# KiCad board STM_proto_board.kicad_pcb (continued)
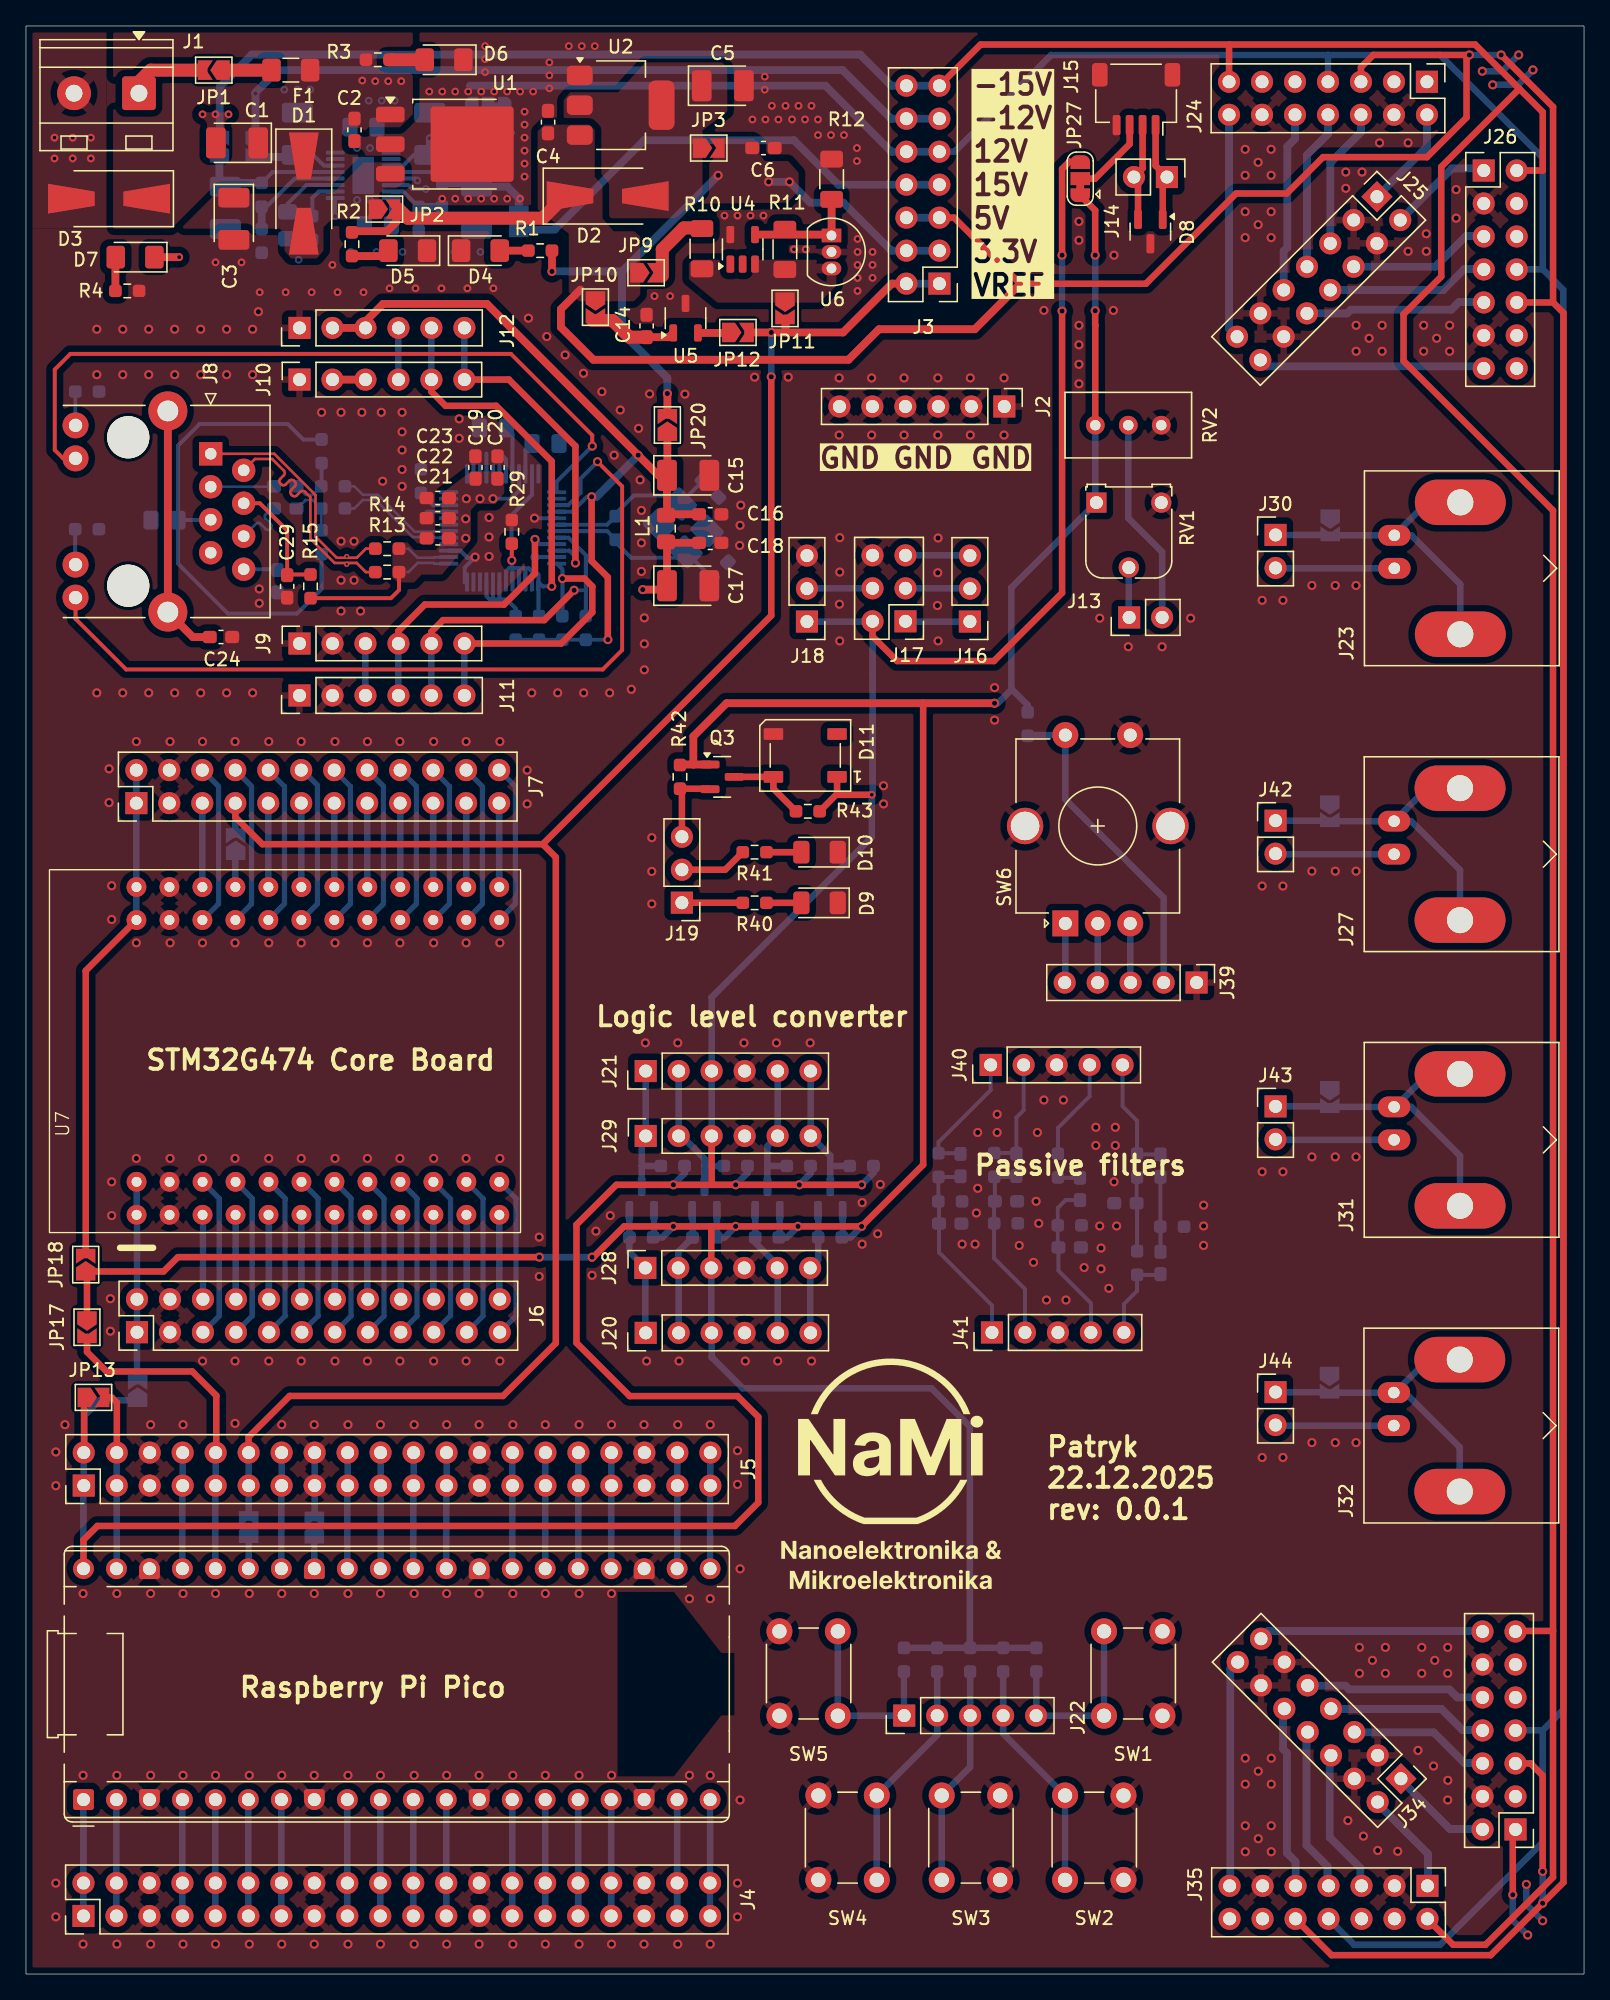
[diagram p0: board, top side]
## Library data of the parts (continued)
U2 = -: Datasheet: http://www.st.com/st-web-ui/static/active/en/resource/technical/document/datasheet/CD00000544.pdf; Description: 800mA Fixed Low Drop Positive Voltage Regulator, Fixed Output 3.3V, SOT-223; store: https://www.digikey.pl/pl/products/detail/stmicroelectronics/LD1117AS33TR/585752?s=N4IgTCBcDaIDIBECMKDsBBAygZmwFQCUQBdAXyA; ki_fp_filters: SOT?223*TabPin2*
U3 = -: Datasheet: https://www.analog.com/media/en/technical-documentation/data-sheets/ltc3260.pdf; Description: Low Noise Dual Supply Inverting Charge Pump with both positive and negative LDO regulators, V_{IN} range 4.5V to 32V, 50 mA LDO output current, MSOP-16; store: https://www.digikey.pl/pl/products/detail/analog-devices-inc/LTC3260EMSE-TRPBF/3248407; ki_fp_filters: MSOP*1EP*3x4.039mm*P0.5mm*EP1.651x2.845mm*
U4 = -: Datasheet: http://www.ti.com/lit/ds/symlink/tl431.pdf; Description: Shunt Regulator, SOT-23-5; store: https://www.digikey.pl/pl/products/detail/stmicroelectronics/TL431AIL5T/2672702?s=N4IgTCBcDaICoBkAsBmAjAQQJIIKxxAF0BfIA; ki_fp_filters: SOT?23?5*
U5 = -: Datasheet: http://www.ti.com/lit/ds/symlink/ref3033.pdf; Description: 3.3V 50-ppm/°C Max, 50-μA, CMOS Voltage Reference, SOT-23-3; store: https://www.digikey.pl/pl/products/detail/texas-instruments/REF3033AIDBZR/1573916; ki_fp_filters: SOT?23*
U6 = -: Datasheet: http://www.ti.com/lit/ds/symlink/tl431.pdf; Description: Shunt Regulator, TO-92; store: https://www.digikey.pl/pl/products/detail/evvo/TL431/22482088; ki_fp_filters: TO*92*
U7 = -: Datasheet: https://github.com/WeActStudio/WeActStudio.STM32G474CoreBoard
U8 = -: Datasheet: http://wizwiki.net/wiki/lib/exe/fetch.php/products:w5500:w5500_ds_v109e.pdf; Description: 10/100Mb SPI Ethernet controller with TCP/IP stack, LQFP-48; store: https://www.digikey.pl/pl/products/detail/wiznet/W5500/4425702; ki_fp_filters: LQFP*7x7mm*P0.5mm*
Y1 = -: Description: Four pin crystal, GND on pins 2 and 4; store: https://www.digikey.pl/pl/products/detail/abracon-llc/ABM8-25-000MHZ-B2Y-T/15996000?s=N4IgTCBcDaIIICECyAOAtGArAOgAz6QAkAtNBMATTQBUQBdAXyA; ki_fp_filters: Crystal*

## Footprints (pads in the part's own frame, mm; a bottom-side part is the same pattern mirrored in y, then rotated)
BNC_Amphenol_B6252HB-NPP3G-50_Horizontal
  oval 1.6x2.5 hole 0.89: 1(0,0) 2(-2.54,0)
  oval 3.5x7 hole 2.01: 2(-5.08,5.08) 2(5.08,5.08)
C_0603_1608Metric_Pad1.08x0.95mm_HandSolder
  rrect 1.075x0.95 smd: 1(-0.863,0) 2(0.863,0)
C_0805_2012Metric_Pad1.18x1.45mm_HandSolder
  rrect 1.175x1.45 smd: 1(-1.038,0) 2(1.038,0)
CP_EIA-3528-21_Kemet-B_HandSolder
  rrect 1.515x2.39 smd: 1(-1.627,0) 2(1.627,0)
Crystal_SMD_3225-4Pin_3.2x2.5mm_HandSoldering
  rrect 2.1x1.8 smd: 1(-1.45,-1.15) 2(1.45,-1.15) 3(1.45,1.15) 4(-1.45,1.15)
D_SMA-SMB_Universal_Handsoldering
  trapezoid 3.6x1.7 smd: 1(-2.9,0) 2(2.9,0)
Fuse_1206_3216Metric_Pad1.42x1.75mm_HandSolder
  rrect 1.425x1.75 smd: 1(-1.488,0) 2(1.488,0)
JST_SH_SM04B-SRSS-TB_1x04-1MP_P1.00mm_Horizontal
  rrect 0.6x1.55 smd: 1(-1.5,2) 2(-0.5,2) 3(0.5,2) 4(1.5,2)
  rrect 1.2x1.8 smd: MP(-2.8,-1.875) MP(2.8,-1.875)
L_0805_2012Metric_Pad1.15x1.40mm_HandSolder
  rrect 1.15x1.4 smd: 1(-1.025,0) 2(1.025,0)
LED_1206_3216Metric
  rrect 1.25x1.75 smd: 1(-1.4,0) 2(1.4,0)
LED_1206_3216Metric_Pad1.42x1.75mm_HandSolder
  rrect 1.425x1.75 smd: 1(-1.488,0) 2(1.488,0)
LED_WS2812B_PLCC4_5.0x5.0mm_P3.2mm
  rrect 1.5x0.9 smd: 1(-2.45,1.65) 2(-2.45,-1.65) 3(2.45,-1.65) 4(2.45,1.65)
LQFP-48_7x7mm_P0.5mm
  rrect 1.475x0.3 smd: 1(-4.162,2.75) 2(-4.162,2.25) 3(-4.162,1.75) 4(-4.162,1.25) 5(-4.162,0.75) 6(-4.162,0.25) 7(-4.162,-0.25) 8(-4.162,-0.75) 9(-4.162,-1.25) 10(-4.162,-1.75) 11(-4.162,-2.25) 12(-4.162,-2.75) 25(4.162,-2.75) 26(4.162,-2.25) 27(4.162,-1.75) 28(4.162,-1.25) 29(4.162,-0.75) 30(4.162,-0.25) 31(4.162,0.25) 32(4.162,0.75) 33(4.162,1.25) 34(4.162,1.75) 35(4.162,2.25) 36(4.162,2.75)
  rrect 0.3x1.475 smd: 13(-2.75,-4.162) 14(-2.25,-4.162) 15(-1.75,-4.162) 16(-1.25,-4.162) 17(-0.75,-4.162) 18(-0.25,-4.162) 19(0.25,-4.162) 20(0.75,-4.162) 21(1.25,-4.162) 22(1.75,-4.162) 23(2.25,-4.162) 24(2.75,-4.162) 37(2.75,4.162) 38(2.25,4.162) 39(1.75,4.162) 40(1.25,4.162) 41(0.75,4.162) 42(0.25,4.162) 43(-0.25,4.162) 44(-0.75,4.162) 45(-1.25,4.162) 46(-1.75,4.162) 47(-2.25,4.162) 48(-2.75,4.162)
MSOP-16-1EP_3x4.039mm_P0.5mm_EP1.651x2.845mm
  rrect 0.69x1.19 smd: (-0.415,-0.71) (-0.415,0.71) (0.415,-0.71) (0.415,0.71)
  rrect 1.45x0.3 smd: 1(-2.15,1.75) 2(-2.15,1.25) 3(-2.15,0.75) 4(-2.15,0.25) 5(-2.15,-0.25) 6(-2.15,-0.75) 7(-2.15,-1.25) 8(-2.15,-1.75) 9(2.15,-1.75) 10(2.15,-1.25) 11(2.15,-0.75) 12(2.15,-0.25) 13(2.15,0.25) 14(2.15,0.75) 15(2.15,1.25) 16(2.15,1.75)
  rect 1.651x2.845 smd: 17(0,0)
PinHeader_1x02_P2.54mm_Vertical
  rect 1.7x1.7 hole 1: 1(0,0)
  round 1.7 hole 1: 2(0,-2.54)
PinHeader_1x03_P2.54mm_Vertical
  rect 1.7x1.7 hole 1: 1(0,0)
  round 1.7 hole 1: 2(0,-2.54) 3(0,-5.08)
PinHeader_1x05_P2.54mm_Vertical
  rect 1.7x1.7 hole 1: 1(0,0)
  round 1.7 hole 1: 2(0,-2.54) 3(0,-5.08) 4(0,-7.62) 5(0,-10.16)
PinHeader_1x06_P2.54mm_Vertical
  rect 1.7x1.7 hole 1: 1(0,0)
  round 1.7 hole 1: 2(0,-2.54) 3(0,-5.08) 4(0,-7.62) 5(0,-10.16) 6(0,-12.7)
PinHeader_2x03_P2.54mm_Vertical
  rect 1.7x1.7 hole 1: 1(0,0)
  round 1.7 hole 1: 2(2.54,0) 3(0,-2.54) 4(2.54,-2.54) 5(0,-5.08) 6(2.54,-5.08)
PinHeader_2x07_P2.54mm_Vertical
  rect 1.7x1.7 hole 1: 1(0,0)
  round 1.7 hole 1: 2(2.54,0) 3(0,-2.54) 4(2.54,-2.54) 5(0,-5.08) 6(2.54,-5.08) 7(0,-7.62) 8(2.54,-7.62) 9(0,-10.16) 10(2.54,-10.16) 11(0,-12.7) 12(2.54,-12.7) 13(0,-15.24) 14(2.54,-15.24)
PinHeader_2x12_P2.54mm_Vertical
  rect 1.7x1.7 hole 1: 1(0,0)
  round 1.7 hole 1: 2(2.54,0) 3(0,-2.54) 4(2.54,-2.54) 5(0,-5.08) 6(2.54,-5.08) 7(0,-7.62) 8(2.54,-7.62) 9(0,-10.16) 10(2.54,-10.16) 11(0,-12.7) 12(2.54,-12.7) 13(0,-15.24) 14(2.54,-15.24) 15(0,-17.78) 16(2.54,-17.78) 17(0,-20.32) 18(2.54,-20.32) 19(0,-22.86) 20(2.54,-22.86) 21(0,-25.4) 22(2.54,-25.4) 23(0,-27.94) 24(2.54,-27.94)
PinHeader_2x20_P2.54mm_Vertical
  rect 1.7x1.7 hole 1: 1(0,0)
  round 1.7 hole 1: 2(2.54,0) 3(0,-2.54) 4(2.54,-2.54) 5(0,-5.08) 6(2.54,-5.08) 7(0,-7.62) 8(2.54,-7.62) 9(0,-10.16) 10(2.54,-10.16) 11(0,-12.7) 12(2.54,-12.7) 13(0,-15.24) 14(2.54,-15.24) 15(0,-17.78) 16(2.54,-17.78) 17(0,-20.32) 18(2.54,-20.32) 19(0,-22.86) 20(2.54,-22.86) 21(0,-25.4) 22(2.54,-25.4) 23(0,-27.94) 24(2.54,-27.94) 25(0,-30.48) 26(2.54,-30.48) 27(0,-33.02) 28(2.54,-33.02) 29(0,-35.56) 30(2.54,-35.56) 31(0,-38.1) 32(2.54,-38.1) 33(0,-40.64) 34(2.54,-40.64) 35(0,-43.18) 36(2.54,-43.18) 37(0,-45.72) 38(2.54,-45.72) 39(0,-48.26) 40(2.54,-48.26)
PinSocket_1x06_P2.54mm_Vertical
  rect 1.7x1.7 hole 1: 1(0,0)
  round 1.7 hole 1: 2(0,-2.54) 3(0,-5.08) 4(0,-7.62) 5(0,-10.16) 6(0,-12.7)
Potentiometer_Bourns_3296W_Vertical
  round 1.44 hole 0.8: 1(0,0) 2(-2.54,0) 3(-5.08,0)
Potentiometer_Runtron_RM-065_Vertical
  rect 1.56x1.56 hole 1: 1(0,0)
  round 1.56 hole 1: 2(2.5,-5) 3(5,0)
R_0603_1608Metric_Pad0.98x0.95mm_HandSolder
  rrect 0.975x0.95 smd: 1(-0.912,0) 2(0.912,0)
R_1206_3216Metric_Pad1.30x1.75mm_HandSolder
  rrect 1.3x1.75 smd: 1(-1.55,0) 2(1.55,0)
RaspberryPi_Pico_Common_THT
  rrect 1.6x1.6 hole 1: 1(0,0)
  round 1.6 hole 1: 2(0,-2.54) 4(0,-7.62) 5(0,-10.16) 6(0,-12.7) 7(0,-15.24) 9(0,-20.32) 10(0,-22.86) 11(0,-25.4) 12(0,-27.94) 14(0,-33.02) 15(0,-35.56) 16(0,-38.1) 17(0,-40.64) 19(0,-45.72) 20(0,-48.26) 21(17.78,-48.26) 22(17.78,-45.72) 24(17.78,-40.64) 25(17.78,-38.1) 26(17.78,-35.56) 27(17.78,-33.02) 29(17.78,-27.94) 30(17.78,-25.4) 31(17.78,-22.86) 32(17.78,-20.32) 34(17.78,-15.24) 35(17.78,-12.7) 36(17.78,-10.16) 37(17.78,-7.62) 39(17.78,-2.54) 40(17.78,0)
  custom 1.6x1.6 hole 1: 3(0,-5.08) 8(0,-17.78) 13(0,-30.48) 18(0,-43.18) 23(17.78,-43.18) 28(17.78,-30.48) 33(17.78,-17.78) 38(17.78,-5.08)
RJ45_HALO_HFJ11-x2450E-LxxRL_Horizontal
  round 3.25 hole 3.25 unplated: (-1.27,-6.35) (10.16,-6.35)
  rect 1.8x1.8 hole 0.89: 1(0,0)
  round 1.8 hole 0.89: 2(1.27,2.54) 3(2.54,0) 4(3.81,2.54) 5(5.08,0) 6(6.35,2.54) 7(7.62,0) 8(8.89,2.54)
  round 2 hole 1.02: 9(-2.185,-10.41) 10(0.355,-10.41) 11(8.535,-10.41) 12(11.075,-10.41)
  round 3 hole 1.6: SH(-3.3,-3.3) SH(12.19,-3.3)
RotaryEncoder_Alps_EC12E-Switch_Vertical_H20mm_CircularMountingHoles
  rect 2x2 hole 1: A(0,0)
  round 2 hole 1: B(0,-5) C(0,-2.5) S1(14.5,0) S2(14.5,-5)
  round 2.8 hole 2.2: MP(7.5,3.1) MP(7.5,-8.1)
SolderJumper-2_P1.3mm_Open_TrianglePad1.0x1.5mm
  custom 1.5x1.5 smd: 1(-0.725,0)
  custom 1.15x1.5 smd: 2(0.725,0)
SolderJumper-3_P1.3mm_Bridged12_RoundedPad1.0x1.5mm
  custom 1.05x1.5 smd: 1(-1.3,0) 3(1.3,0)
  rect 1x1.5 smd: 2(0,0)
SOT-23
  rrect 1.475x0.6 smd: 1(-0.938,0.95) 2(-0.938,-0.95) 3(0.938,0)
SOT-23-3
  rrect 1.325x0.6 smd: 1(-1.137,0.95) 2(-1.137,-0.95) 3(1.137,0)
SOT-23-5
  rrect 1.325x0.6 smd: 1(-1.137,0.95) 2(-1.137,0) 3(-1.137,-0.95) 4(1.137,-0.95) 5(1.137,0.95)
SOT-223-3_TabPin2
  rrect 2x1.5 smd: 1(-3.15,2.3) 2(-3.15,0) 3(-3.15,-2.3)
  rrect 2x3.8 smd: 2(3.15,0)
STM32G474CoreBoard
  round 1.524 hole 0.762: 1(-12.7,12.7) 2(-10.16,12.7) 3(-12.7,10.16) 4(-10.16,10.16) 5(-12.7,7.62) 6(-10.16,7.62) 7(-12.7,5.08) 8(-10.16,5.08) 9(-12.7,2.54) 10(-10.16,2.54) 11(-12.7,0) 12(-10.16,0) 13(-12.7,-2.54) 14(-10.16,-2.54) 15(-12.7,-5.08) 16(-10.16,-5.08) 17(-12.7,-7.62) 18(-10.16,-7.62) 19(-12.7,-10.16) 20(-10.16,-10.16) 21(-12.7,-12.7) 22(-10.16,-12.7) 23(-12.7,-15.24) 24(-10.16,-15.24) 25(10,12.71) 26(12.54,12.71) 27(10,10.17) 28(12.54,10.17) 29(10,7.63) 30(12.54,7.63) 31(10,5.09) 32(12.54,5.09) 33(10,2.55) 34(12.54,2.55) 35(10,0.01) 36(12.54,0.01) 37(10,-2.53) 38(12.54,-2.53) 39(10,-5.07) 40(12.54,-5.07) 41(10,-7.61) 42(12.54,-7.61) 43(10,-10.15) 44(12.54,-10.15) 45(10,-12.69) 46(12.54,-12.69) 47(10,-15.23) 48(12.54,-15.23)
SW_PUSH_6mm_H5mm
  round 2 hole 1.1: 1(0,0) 1(6.5,0) 2(0,-4.5) 2(6.5,-4.5)
TerminalBlock_MetzConnect_Type094_RT03502HBLU_1x02_P5.00mm_Horizontal
  rrect 2.6x2.6 hole 1.3: 1(0,0)
  round 2.6 hole 1.3: 2(5,0)
TO-92_Inline
  rect 1.05x1.5 hole 0.75: 1(0,0)
  oval 1.05x1.5 hole 0.75: 2(1.27,0) 3(2.54,0)
TO-252-3_TabPin2
  rrect 3.05x2.75 smd: (-0.415,1.525) (-0.415,-1.525) (2.935,1.525) (2.935,-1.525)
  rrect 2.2x1.2 smd: 1(-5.04,2.28) 2(-5.04,0) 3(-5.04,-2.28)
  rrect 6.4x5.8 smd: 2(1.26,0)

## Nets
+3.3VP: J20.3 J28.3 JP17.1 JP18.1 JP27.1 Q1.1 Q2.1 Q3.1 Q4.1 Q5.1 R31.2 R33.2 R35.2 R36.2 R37.2 R38.2 R39.2 R42.2 R44.2 R46.2 R48.1 RV1.1 RV2.1
+3V3: C6.1 J3.3 J3.4 J24.3 J26.12 J33.3 J35.12 JP3.2 JP20.2 R1.2
+5V: C4.1 D2.1 J3.5 J3.6 J24.5 J26.10 J33.5 J35.10 JP2.2 JP9.1 JP10.1 R2.2 U2.3
+12V: C1.1 C2.1 D1.1 D3.1 F1.2 J3.9 J3.10 J24.7 J26.8 J33.7 J35.8 JP4.2 JP6.3 R3.2 U1.1
+15V: J3.7 J3.8 J24.11 J26.4 J33.11 J35.4 JP5.1
-12V: D7.1 J3.11 J3.12 J24.9 J26.6 J33.9 J35.6 JP7.1
-15V: J3.13 J3.14 J24.13 J26.2 J33.13 J35.2 JP8.2
/Ethernet/3V3A: C17.1 C18.1 C19.1 C20.1 C21.1 C22.1 C23.1 L1.2 R13.1 R14.1 R15.1 U8.4 U8.8 U8.11 U8.15 U8.17 U8.21
/Ethernet/3V3D: C15.1 C16.1 J10.2 J10.3 J12.2 J12.3 JP20.1 L1.1 R16.2 R17.2 R18.2 R27.1 U8.28
/uC/3V3_EN: A1.37 J5.7 J5.8
/uC/3V3_PIPICO: A1.36 J5.9 J5.10 JP17.2
/uC/3V3_STM: J7.1 J7.2 JP18.2 U7.25 U7.26
GND: A1.3 A1.8 A1.13 A1.18 A1.23 A1.28 A1.38 C1.2 C2.2 C3.2 C4.2 C5.2 C6.2 C7.2 C8.2 C9.2 C10.1 C11.1 C12.1 C14.2 C15.2 C16.2 C17.2 C18.2 C19.2 C20.2 C21.2 C22.2 C23.2 C24.1 C27.2 C28.2 C29.2 C30.2 C31.2 C32.2 C33.2 C35.1 C37.1 C39.1 C42.1 D3.2 D4.1 D5.1 D6.1 D8.3 D9.1 D10.1 D11.3 J1.2 J2.1 J2.2 J2.3 J2.4 J2.5 J2.6 J4.5 J4.6 J4.15 J4.16 J4.25 J4.26 J4.35 J4.36 J5.5 J5.6 J5.15 J5.16 J5.25 J5.26 J5.35 J5.36 J6.3 J6.4 J7.3 J7.4 J9.1 J9.2 J10.1 J11.1 J11.2 J12.1 J15.4 J15.MP J17.6 J18.3 J20.4 J21.4 J24.4 J24.12 J25.3 J25.4 J25.11 J25.12 J26.3 J26.11 J28.4 J29.4 J33.4 J33.12 J34.3 J34.4 J34.11 J34.12 J35.3 J35.11 J39.1 J40.3 J41.3 JP6.1 JP16.2 JP22.1 JP23.1 JP24.1 JP25.1 R4.2 R6.2 R7.2 R8.1 R12.2 R21.2 R26.2 R29.2 R30.2 R50.1 R52.1 R54.2 R57.1 RV1.3 RV2.3 SW1.1 SW2.1 SW3.1 SW4.2 SW5.2 SW6.MP SW6.S2 U1.2 U2.1 U3.17 U4.5 U5.3 U6.2 U7.3 U7.4 U7.27 U7.28 U8.3 U8.9 U8.14 U8.16 U8.19 U8.29 U8.48 Y1.2 Y1.4
VBUS: A1.40 D11.1 J5.1 J5.2 J17.2 J18.1 J21.3 J29.3 JP13.1 JP14.1 JP27.3 R32.2 R34.2 R43.2 R45.2 R47.2
VCC_STM: J6.1 J6.2 JP14.2 U7.1 U7.2
/Ethernet/ACTLED: J8.12 U8.27
/Ethernet/INT: J9.6 J11.6 R17.1 U8.36
/Ethernet/LINKLED: J8.10 U8.25
/Ethernet/MISO: J10.6 J12.6 U8.34
/Ethernet/MOSI: J9.3 J11.3 U8.35
/Ethernet/NC: J10.4 J12.4
/Ethernet/RST: J10.5 J12.5 R16.1 U8.37
/Ethernet/RX_C_N: C25.2 J8.6
/Ethernet/RX_C_P: C26.2 J8.3
/Ethernet/RX_N: R22.1 U8.5
/Ethernet/RX_P: R23.1 U8.6
/Ethernet/RX_R_N: C25.1 R22.2 R24.1
/Ethernet/RX_R_P: C26.1 R23.2 R25.1
/Ethernet/SCLK: J9.4 J11.4 U8.33
/Ethernet/SCS: J9.5 J11.5 R18.1 U8.32
/Ethernet/TX_N: R19.1 U8.1
/Ethernet/TX_P: R20.1 U8.2
/Ethernet/TX_R_N: J8.2 R14.2 R19.2
/Ethernet/TX_R_P: J8.1 R13.2 R20.2
/The rest of the things/H1: J21.1 J29.1 Q1.3 R32.1
/The rest of the things/H2: J21.2 J29.2 Q2.3 R34.1
/The rest of the things/H3: J21.5 J29.5 Q4.3 R45.1
/The rest of the things/H4: J21.6 J29.6 Q5.3 R47.1
/The rest of the things/L1: J20.1 J28.1 Q1.2 R31.1
/The rest of the things/L2: J20.2 J28.2 Q2.2 R33.1
/The rest of the things/L3: J20.5 J28.5 Q4.2 R44.1
/The rest of the things/L4: J20.6 J28.6 Q5.2 R46.1
/The rest of the things/MISO: J16.1 J17.1
/The rest of the things/MOSI: J17.4 J18.2
/The rest of the things/ROT_ENC_SW: J39.2 R48.2 SW6.S1
/The rest of the things/RST: J16.3 J17.5
/The rest of the things/SCK: J16.2 J17.3
/uC/ADC_VREF: A1.35 JP15.1
/uC/GPIO0: A1.1 J4.1 J4.2
/uC/GPIO1: A1.2 J4.3 J4.4
/uC/GPIO2: A1.4 J4.7 J4.8
/uC/GPIO3: A1.5 J4.9 J4.10
/uC/GPIO4: A1.6 J4.11 J4.12
/uC/GPIO5: A1.7 J4.13 J4.14
/uC/GPIO6: A1.9 J4.17 J4.18
/uC/GPIO7: A1.10 J4.19 J4.20
/uC/GPIO8: A1.11 J4.21 J4.22
/uC/GPIO9: A1.12 J4.23 J4.24
/uC/GPIO10: A1.14 J4.27 J4.28
/uC/GPIO11: A1.15 J4.29 J4.30
/uC/GPIO12: A1.16 J4.31 J4.32
/uC/GPIO13: A1.17 J4.33 J4.34
/uC/GPIO14: A1.19 J4.37 J4.38
/uC/GPIO15: A1.20 J4.39 J4.40
/uC/GPIO16: A1.21 J5.39 J5.40
/uC/GPIO17: A1.22 J5.37 J5.38
/uC/GPIO18: A1.24 J5.33 J5.34
/uC/GPIO19: A1.25 J5.31 J5.32
/uC/GPIO20: A1.26 J5.29 J5.30
/uC/GPIO21: A1.27 J5.27 J5.28
/uC/GPIO22: A1.29 J5.23 J5.24
/uC/GPIO26_ADC0: A1.31 J5.19 J5.20
/uC/GPIO27_ADC1: A1.32 J5.17 J5.18
/uC/GPIO28_ADC2: A1.34 J5.13 J5.14
/uC/NRST: J7.20 U7.43
/uC/PA0: J7.19 U7.44
/uC/PA1: J7.18 U7.41
/uC/PA2: J7.17 U7.42
/uC/PA3: J7.16 U7.39
/uC/PA4: J7.15 U7.40
/uC/PA5: J7.14 U7.37
/uC/PA6: J7.13 U7.38
/uC/PA7: J7.12 U7.35
/uC/PA8: J6.9 U7.10
/uC/PA9: J6.12 U7.11
/uC/PA10: J6.11 U7.12
/uC/PA11: J6.14 U7.13
/uC/PA12: J6.13 U7.14
/uC/PA15: J6.16 U7.15
/uC/PB0: J7.10 U7.33
/uC/PB1: J7.9 U7.34
/uC/PB2: J7.8 U7.31
/uC/PB3: J6.17 U7.18
/uC/PB4: J6.20 U7.19
/uC/PB5: J6.19 U7.20
/uC/PB6: J6.22 U7.21
/uC/PB7: J6.21 U7.22
/uC/PB8_GOOT0: J6.24 U7.23
/uC/PB9: J6.23 U7.24
/uC/PB10: J7.6 U7.29
/uC/PB11: J7.5 U7.30
/uC/PB12: J6.6 U7.5
/uC/PB13: J6.5 U7.6
/uC/PB14: J6.8 U7.7
/uC/PB15: J6.7 U7.8
/uC/PC4: J7.11 U7.36
/uC/PC6: J6.10 U7.9
/uC/PC10: J6.15 U7.16
/uC/PC11: J6.18 U7.17
/uC/PC13: J7.23 U7.48
/uC/PC14: J7.22 U7.45
/uC/PC15: J7.21 U7.46
/uC/RUN: A1.30 J5.21 J5.22
/uC/VB: J7.24 U7.47
SCL: D8.1 J14.1 J15.1
SDA: D8.2 J14.2 J15.2
VREF+: J3.1 J3.2 J5.11 J5.12 J7.7 J24.1 J26.14 J33.1 J35.14 JP11.2 JP12.2 JP15.2 JP19.2
VSYS_PIPICO: A1.39 J5.3 J5.4 JP13.2
Net-(A1-AGND): A1.33 JP16.1
Net-(C24-Pad2): C24.2 J8.SH
Net-(C28-Pad1): C28.1 J8.5 R24.2 R25.2
Net-(C29-Pad1): C29.1 J8.4 R15.2
Net-(C30-Pad1): C30.1 J8.8
Net-(C38-Pad1): C38.1 R53.1
Net-(C40-Pad2): C40.2 C41.1 R57.2
Net-(C42-Pad2): C42.2 R55.1 R56.2
Net-(D1-A): C3.1 D1.2 JP2.1 U1.3
Net-(D2-A): C5.1 D2.2 JP3.1 U2.2
Net-(D4-A): D4.2 R1.1
Net-(D5-A): D5.2 R2.1
Net-(D6-A): D6.2 R3.1
Net-(D7-A): D7.2 R4.1
Net-(D9-A): D9.2 R40.1
Net-(D10-A): D10.2 R41.1
Net-(D11-DIN): D11.4 Q3.3 R43.1
Net-(J1-Pin_1): J1.1 JP1.2
Net-(J8-Pad9): J8.9 R26.1
Net-(J8-Pad11): J8.11 R21.1
Net-(J13-Pin_1): J13.1 RV1.2
Net-(J13-Pin_2): J13.2 RV2.2
Net-(J15-Pin_3): J15.3 JP27.2
Net-(J19-Pin_1): J19.1 R40.2
Net-(J19-Pin_2): J19.2 R41.2
Net-(J19-Pin_3): J19.3 Q3.2 R42.1
Net-(J22-Pin_1): J22.1 R39.1 SW5.1
Net-(J22-Pin_2): J22.2 R38.1 SW4.1
Net-(J22-Pin_3): J22.3 R37.1 SW3.2
Net-(J22-Pin_4): J22.4 R36.1 SW2.2
Net-(J22-Pin_5): J22.5 R35.1 SW1.2
Net-(J23-Ext): J23.2 J30.1 JP22.2
Net-(J23-In): J23.1 J30.2
Net-(J24-Pin_2): J24.2 J25.1
Net-(J24-Pin_6): J24.6 J25.5
Net-(J24-Pin_8): J24.8 J25.7
Net-(J24-Pin_10): J24.10 J25.9
Net-(J24-Pin_14): J24.14 J25.13
Net-(J25-Pin_2): J25.2 J26.1
Net-(J25-Pin_6): J25.6 J26.5
Net-(J25-Pin_8): J25.8 J26.7
Net-(J25-Pin_10): J25.10 J26.9
Net-(J25-Pin_14): J25.14 J26.13
Net-(J27-Ext): J27.2 J42.1 JP23.2
Net-(J27-In): J27.1 J42.2
Net-(J31-Ext): J31.2 J43.1 JP24.2
Net-(J31-In): J31.1 J43.2
Net-(J32-Ext): J32.2 J44.1 JP25.2
Net-(J32-In): J32.1 J44.2
Net-(J33-Pin_2): J33.2 J34.1
Net-(J33-Pin_6): J33.6 J34.5
Net-(J33-Pin_8): J33.8 J34.7
Net-(J33-Pin_10): J33.10 J34.9
Net-(J33-Pin_14): J33.14 J34.13
Net-(J34-Pin_2): J34.2 J35.1
Net-(J34-Pin_6): J34.6 J35.5
Net-(J34-Pin_8): J34.8 J35.7
Net-(J34-Pin_10): J34.10 J35.9
Net-(J34-Pin_14): J34.14 J35.13
Net-(J39-Pin_3): J39.3 SW6.B
Net-(J39-Pin_4): J39.4 SW6.C
Net-(J39-Pin_5): J39.5 SW6.A
Net-(J40-Pin_1): C34.1 J40.1 R49.1
Net-(J40-Pin_2): C36.1 J40.2 R51.1
Net-(J40-Pin_4): J40.4 R53.2
Net-(J40-Pin_5): C40.1 J40.5 R55.2
Net-(J41-Pin_1): C34.2 C35.2 J41.1 R49.2 R50.2
Net-(J41-Pin_2): C36.2 C37.2 J41.2 R51.2 R52.2
Net-(J41-Pin_4): C38.2 C39.2 J41.4 R54.1
Net-(J41-Pin_5): C41.2 J41.5 R56.1
Net-(JP1-A): F1.1 JP1.1
Net-(JP4-A): C7.1 JP4.1 U3.1 U3.11 U3.13
Net-(JP5-B): C8.1 JP5.2 R5.1 U3.12
Net-(JP6-C): JP6.2 U3.14
Net-(JP7-B): C10.2 JP7.2 U3.6
Net-(JP8-A): C12.2 JP8.1 R9.2 U3.5
Net-(JP9-B): JP9.2 R10.1
Net-(JP10-B): C14.1 JP10.2 U5.1
Net-(JP11-A): JP11.1 R10.2 R11.1 U4.3 U6.3
Net-(JP12-A): JP12.1 U5.2
Net-(JP19-A): JP19.1 U7.32
Net-(R29-Pad1): R29.1 U8.23 U8.38 U8.39 U8.40 U8.41 U8.42
Net-(U3-ADJ^{+}): R5.2 R6.1 U3.15
Net-(U3-ADJ^{-}): R8.2 R9.1 U3.4
Net-(U3-BYP^{+}): C9.1 U3.16
Net-(U3-BYP^{-}): C11.2 U3.3
Net-(U3-C^{+}): C13.1 U3.9 U3.10
Net-(U3-C^{-}): C13.2 U3.7 U3.8
Net-(U3-RT): R7.1 U3.2
Net-(U4-REF): R11.2 R12.1 U4.4 U6.1
Net-(U8-1V2O): C32.1 U8.22
Net-(U8-EXRES1): R30.1 U8.10
Net-(U8-PMODE0): R27.2 U8.43 U8.44 U8.45
Net-(U8-TOCAP): C33.1 U8.20
Net-(U8-XI/CLKIN): C27.1 R28.1 U8.30 Y1.1
Net-(U8-XO): C31.1 R28.2 U8.31 Y1.3

Pads without a net: D11 2; J8 7; U4 1 2; U8 7 12 13 18 24 26 46 47

## Via types
v1: diameter 0.7, hole 0.4, Top to Bottom, 435 vias
v2: diameter 0.6, hole 0.3, Top to Bottom, 61 vias
v3: diameter 0.6, hole 0.3, Top to In2.Cu, 31 vias
v4: diameter 0.6, hole 0.3, In1.Cu to Bottom, 17 vias
v5: diameter 0.6, hole 0.3, In2.Cu to Bottom, 6 vias
v6: diameter 0.7, hole 0.4, In2.Cu to Bottom, 1 via
v7: diameter 0.4, hole 0.2, Top to Bottom, 2 vias

## Routing (per net, layer and track width the routed paths; a pad name or vN(x,y) marks a point on that pad's centre or on a via; arc(x,y) is an arc through that point)
+3.3VP: length 256.4
  Top w0.5: v1(82.35,128.07) 82.35,126.95 82.36,126.94 RV2.1 ; v1(43.6,55.2) 43.6,55.1 46.07,57.57 v1(49.86,57.57) 52.76,57.57 ; J28.3 52.78,57.55 52.76,57.57 ; 52.76,57.57 v1(54.66,57.57) v1(59.46,57.57) v1(64.36,57.57) 69.1,62.31 69.1,97.85 ; JP27.1 81.21,136.94 82.35,135.8 v1(82.35,132.35) ; v1(39.54,55.2) 11.7,55.2 10.6,54.1 4.8,54.1 JP18.1 4.7,53.8 JP17.1
  Top w0.6: 51.4,93.13 50.41,93.13 R42.2 ; 51.4,93.13 Q3.1 ; 51.4,93.13 51.4,95.3 53.95,97.85 v1(74.6,97.85)
  Bottom w0.5: 75.9,98.95 75.9,106.76 RV1.1 82.36,113.38 RV2.1 ; 75.9,98.95 75.9,98.9 74.85,97.85 v1(74.6,97.85) ; 75.9,98.95 77.15,97.7 R48.1 ; Q1.1 48.37,56.79 R31.2 49.01,56.72 v1(49.86,57.57) ; v1(82.35,132.35) v1(82.35,128.07) ; R35.2 R36.2 R37.2 ; Q4.1 58.06,56.79 R44.2 58.61,56.72 v1(59.46,57.57) ; R37.2 R38.2 R39.2 ; R37.2 72.7,25.13 72.7,42.15 69.75,45.1 55.2,45.1 52.81,47.49 J20.3 52.78,49.4 J28.3 ; v1(54.66,57.57) 53.8,56.71 R33.2 53.21,56.75 Q2.1 ; v1(64.36,57.57) 63.51,56.72 R46.2 62.9,56.78 Q5.1 ; v1(43.6,55.2) v1(39.54,55.2)
+3V3: length 292.6
  Top w0.5: v1(53.31,138.5) 53.32,138.51 ; 40.51,131.1 v1(40.51,131.1)
  Top w0.6: v1(49.4,121.7) 49.4,120.06 ; R1.2 40.51,131.1
  In1.Cu w0.5: v1(114.97,147.77) 114.97,146.42 117.62,143.77 117.62,126.17 ; v1(112.17,146.52) 110.97,146.52 ; 110.97,146.52 109.72,147.77 106.32,147.77 105.36,146.81 J24.3 ; 110.97,146.52 110.95,146.5 110.95,142.95 107.9,139.9 99.9,139.9 97.1,137.1 93.2,137.1 86.25,130.15 74.05,130.15 71.5,132.7 J3.3 ; 114.75,13.71 114.76,13.72 115.88,13.72 116.81,12.79 116.81,9.35 115.56,8.1 v1(115.56,6.9) ; J26.12 114.82,126.17 117.62,126.17 ; 117.62,126.17 118.42,125.37 118.42,5.71 v1(116.81,4.1) 115.46,4.1 112.81,1.45 98.02,1.45 95.22,4.25
  Bottom w0.5: v1(114.97,147.77) 113.72,146.52 v1(112.17,146.52) ; v1(115.56,6.9) 115.56,5.35 v1(116.81,4.1)
  Bottom w0.6: v1(40.51,131.1) 45.91,131.1 ; 45.91,131.1 v1(53.31,138.5) ; 45.91,131.1 45.91,126.39 49.4,122.9 v1(49.4,121.7) ; v1(57.2,138) v1(58.8,138) 60.4,136.4 62.95,136.4 66.65,132.7 J3.4 J3.3
+5V: length 311
  Top w0.5: 117.62,128.71 118.42,127.91 118.42,7.06 v1(116.81,5.45) 112.81,1.45 100.56,1.45 97.76,4.25 ; 117.62,128.71 117.62,143.77 v1(113.62,147.77) ; 117.62,128.71 J26.10 ; 114.75,16.25 114.78,16.22 115.88,16.22 116.81,15.29 v1(116.81,7.9) ; J24.5 102.82,146.82 103.77,147.77 v1(111.17,147.77) 110.95,147.55 110.95,142.95 107.9,139.9 99.9,139.9 97.1,137.1 93.2,137.1 86.25,130.15 76.58,130.15 71.48,135.24 J3.5
  Top w0.6: 28.51,135.9 28.51,134.9 27.81,134.2 25.2,134.2 R2.2 ; 76.58,130.15 73.08,126.65 65.7,126.65 63.35,124.3 43.7,124.3 41.2,126.8 41.2,128.2 42.7,129.7
  Top w1: 28.71,135.9 29.41,135.2 39.8,135.2 41.5,136.9 D2.1
  Bottom w0.5: v1(116.81,5.45) v1(116.81,7.9) ; v1(113.62,147.77) v1(111.17,147.77)
  Bottom w0.6: J3.6 J3.5
+12V: length 253.5
  Bottom w0.3: JP6.3 JP4.2
  Bottom w0.5: 116.82,131.27 116.82,139.87 108.92,147.77 100.28,147.77 ; 116.82,131.27 118.4,129.68 118.4,20.36 116.81,18.77 ; 116.82,131.27 114.83,131.27 J26.8 ; 100.28,147.77 78.97,147.77 71.52,140.32 J3.9 ; 100.28,147.77 J24.7 ; 114.75,18.79 114.77,18.77 116.81,18.77 ; 116.81,18.77 116.81,10.15 108.91,2.25 102.3,2.25 100.3,4.25
  Bottom w0.6: J3.9 J3.10 66.66,140.32 61.58,145.4 34.2,145.4 ; JP6.3 34.3,141.51
  vias: v2(25.9,145.8) v2(26.9,145.75) v2(27.9,145.75) v2(28.9,145.75)
+15V: length 265.9
  In1.Cu w0.5: 95.2,148.57 82.24,148.57 71.45,137.78 J3.7 ; 95.2,148.57 J24.11 ; 95.2,148.57 111.62,148.57 115.02,145.17 ; 115.02,145.17 116.82,143.37 116.82,136.33 J26.4 ; 115.02,145.17 115.02,145.17 109,139.15 109,130.7 106.1,127.8 106.1,124.2 117.61,112.69 117.61,23.87 ; 117.61,23.87 117.61,7.45 112.41,2.25 107.38,2.25 105.38,4.25 ; 117.61,23.87 114.75,23.87
  Bottom w0.6: 37.97,134.32 40.72,134.32 47.6,141.2 59.15,141.2 62.58,137.77 67.8,137.77 J3.8 J3.7
-12V: length 307.5
  Top w0.6: D7.1 v3(11.8,132.2)
  In2.Cu w0.5: 115.02,145.17 116.82,143.37 116.82,133.79 J26.6 ; 115.02,145.17 111.62,148.57 97.74,148.57 ; 115.02,145.17 109,139.15 109,130.7 106.1,127.8 106.1,124.2 117.61,112.69 117.61,21.32 ; J3.11 71.51,142.86 77.22,148.57 97.74,148.57 ; 117.61,21.32 117.61,7.45 112.41,2.25 104.84,2.25 102.84,4.25 ; 117.61,21.32 114.76,21.32 114.75,21.33 ; 97.74,148.57 J24.9
  In2.Cu w0.6: v5(17.67,144.8) 17.67,141.87 11.8,136 v3(11.8,132.2)
  Bottom w0.6: J3.11 J3.12 66.64,142.86 62.9,146.6 19.4,146.6 17.67,144.87 v5(17.67,144.8) 17.67,141.52
-15V: length 282.2
  Top w0.5: 92.66,148.57 111.62,148.57 115.02,145.17 ; 92.66,148.57 J24.13 ; 92.66,148.57 73.52,148.57 J3.13 ; 117.61,26.42 114.76,26.42 114.75,26.41 ; 117.61,26.42 117.61,112.69 106.1,124.2 106.1,127.8 109,130.7 109,139.15 115.02,145.17 ; 117.61,26.42 117.61,7.45 112.41,2.25 109.92,2.25 107.92,4.25 ; 115.02,145.17 116.82,143.37 116.82,138.87 J26.2
  Bottom w0.6: 14.92,141.58 14.92,145.32 17.4,147.8 64.25,147.8 66.65,145.4 J3.14 J3.13
/Ethernet/3V3A: length 46.8
  Top w0.3: R14.1 28.73,106.56 28.1,105.94 R15.1 ; C23.1 32.63,113.6
  Top w0.6: C18.1 49.38,110.2 49.3,110.27 49.37,110.2 C17.1 49.07,106.6 v1(47.5,106.6)
  In1.Cu w0.6: v1(33.87,110.55) 33.3,109.98 33.3,108.3 36.3,105.3 36.3,101.8 37.6,100.5 45.2,100.5 46.4,101.7 46.4,105.5 v1(47.5,106.6)
  Bottom w0.3: 35.97,113.55 36.02,113.6 37.37,113.6 37.97,114.2 U8.21
  vias: v1(33.92,113.6) v1(33.87,112.05) v1(34.97,113.6) v1(35.97,113.6)
/Ethernet/3V3D: length 70.4
  Top w0.5: v1(44.82,102.75) 44.82,107.55 43.57,108.8 v1(43.57,113.75)
  Top w0.6: J12.2 J12.3 26.15,127.25 27.5,128.6 35.5,128.6 v1(47.15,116.95) 48.7,115.4 C15.1 ; J10.3 J10.2 ; C16.1 49.38,112.4 L1.1 49.37,112.4 C15.1 ; C15.1 49.4,115.43 JP20.1
  Bottom w0.3: U8.28 42.07,112.6 43.22,113.75 v1(43.57,113.75) ; R27.1 R16.2 R17.2 R18.2 43.13,102.75 v1(44.82,102.75)
  Bottom w0.6: v1(47.15,116.95) 43.95,113.75 v1(43.57,113.75)
/uC/3V3_EN: length 8.9
  Bottom w0.5: A1.37 12.05,37.59 J5.7 J5.8
/uC/3V3_PIPICO: length 25.8
  Top w0.5: 14.66,40.24 14.66,44.54 12.8,46.4 6.2,46.4 4.7,47.9 4.7,49.07
  Bottom w0.5: J5.10 J5.9 14.59,37.59 A1.36
/uC/3V3_STM: length 39
  Top w0.5: U7.25 4.6,77.25 4.6,55.36
  Bottom w0.5: 8.51,90.15 U7.26 U7.25 ; J7.1 J7.2
GND: length 18.5
  Bottom w0.3: U8.14 34.47,117.07 ; U8.48 33.8,107.19 33.79,107.17 33.79,108.3 v1(34.59,109.1) 34.54,109.05 33.97,109.05 33.97,109.1 33.47,109.6 U8.3 ; v1(39.17,112.1) U8.29 ; U8.9 30.9,112.6 30.7,112.4 ; 36.4,117.2 36.97,116.63 U8.19 ; U8.16 35.47,117.07
  Bottom w0.5: 22.21,35.11 22.23,35.12 J5.15 J5.16
  vias: v1(2.3,40.2) v1(2.3,37.6) v1(2.3,7) v1(2.3,4.4) v1(3,42.3) v1(4.4,29.3) v1(4.4,15.3) v1(4.4,2.3) v1(5.45,126.65) v1(5.45,123.15) v1(5.45,98.65) v1(6.4,92.8) v1(6.4,90.2) v1(6.5,52) v1(6.5,49.5) v1(6.6,83.8) v1(6.6,81.2) v1(6.6,61) v1(6.6,58.4) v1(7,29.3) v1(7,15.3) v1(7,2.3) v1(7.45,126.65) v1(7.45,123.15) v1(7.45,98.65) v1(8.5,94.9) v1(8.5,79.4) v1(8.5,62.8) v1(9.45,126.65) v1(9.45,123.15) v1(9.45,98.65) v1(9.6,42.3) v1(9.6,29.3) v1(9.6,15.3) v1(9.6,2.3) v1(11.1,94.9) v1(11.1,79.4) v1(11.1,62.8) v1(11.45,126.65) v1(11.45,123.15) v1(11.45,98.65) v1(12.1,42.3) v1(12.1,29.3) v1(12.1,15.3) v1(12.1,2.3) v1(13.45,126.65) v1(13.45,123.15) v1(13.45,98.65) v1(13.6,94.9) v1(13.6,79.4) v1(13.6,62.8) v1(13.6,47.2) v1(14.6,29.3) v1(14.6,15.3) v1(14.6,2.3) v1(15.45,126.65) v1(15.45,123.15) v1(15.45,98.65) v1(16.1,94.9) v1(16.1,79.4) v1(16.1,62.8) v1(16.1,47.2) v1(16.1,42.4) v1(17.2,29.3) v1(17.2,15.3) v1(17.2,2.3) v1(17.45,126.65) v1(17.45,123.15) v1(17.45,98.65) v1(17.9,128) v1(17.97,106.65) v1(17.97,105.55) v1(18.7,94.9) v1(18.7,79.4) v1(18.7,62.8) v1(18.7,47.2) v1(19.7,42.3) v1(19.7,29.3) v1(19.7,15.3) v1(19.7,2.3) v1(21.2,94.9) v1(21.2,79.4) v1(21.2,62.8) v1(21.2,47.2) v1(22.2,42.3) v1(22.2,29.3) v1(22.2,15.3) v1(22.2,2.3) v1(22.77,120.25) v1(23.8,94.9) v1(23.8,79.4) v1(23.8,62.8) v1(23.8,47.2) v1(24.27,120.25) v1(24.27,110.32) v1(24.27,107.32) v1(24.27,104.95) v1(24.8,42.3) v1(24.8,29.3) v1(24.8,15.3) v1(24.8,2.3) v1(25.27,110.32) v1(25.27,107.32) v1(25.77,104.95) v1(25.87,120.25) v1(26.3,94.9) v1(26.3,79.4) v1(26.3,62.8) v1(26.3,47.2) v1(27.3,42.3) v1(27.3,29.3) v1(27.3,15.3) v1(27.3,2.3) v1(27.37,120.25) v1(27.47,114.95) v1(28.8,94.9) v1(28.8,79.4) v1(28.8,62.8) v1(28.8,47.2) v1(28.97,120.25) v1(28.97,118.75) v1(28.97,117.35) v1(28.97,115.85) v1(28.97,114.55) v1(29.9,42.3) v1(29.9,29.3) v1(29.9,15.3) v1(29.9,2.3) v1(31.4,94.9) v1(31.4,79.4) v1(31.4,62.8) v1(31.4,47.2) v1(32.4,42.3) v1(32.4,29.3) v1(32.4,15.3) v1(32.4,2.3) v1(33.37,119.75) v1(33.37,118.25) v1(33.9,94.9) v1(33.9,79.4) v1(33.9,62.8) v1(33.9,47.2) v1(34.9,42.3) v1(34.9,29.3) v1(34.9,15.3) v1(34.9,2.3) v1(35.67,112.15) v1(35.67,110.65) v1(35.67,109.15) v1(36.5,94.9) v1(36.5,79.4) v1(36.5,62.8) v1(36.5,47.2) v1(37.5,42.3) v1(37.5,29.3) v1(37.5,15.3) v1(37.5,2.3) v1(38.6,92.7) v1(38.6,90.1) v1(38.7,127.5) v1(38.95,98.65) v1(39.53,56.74) v1(39.53,53.71) v1(40,42.3) v1(40,29.3) v1(40,15.3) v1(40,2.3) v1(40.11,126.09) v1(40.95,98.65) v1(41.53,124.67) v1(42.6,42.3) v1(42.6,29.3) v1(42.6,15.3) v1(42.6,2.3) v1(42.94,123.26) v1(42.95,98.65) v1(43.6,53.8) v1(43.9,57.2) v1(44.36,121.84) v1(44.95,98.65) v1(45,58.4) v1(45.1,42.3) v1(45.1,29.3) v1(45.1,15.3) v1(45.1,2.3) v1(45.3,116.95) v1(45.77,120.43) v1(46.62,98.92) v1(47.19,119.01) v1(47.3,115.05) v1(47.4,112.7) v1(47.4,110.2) v1(47.4,108) v1(47.62,104.42) v1(47.62,102.42) v1(47.62,100.42) v1(47.6,42.3) v1(47.6,2.3) v1(47.7,71.7) v1(47.8,47.2) v1(48.03,121.67) v1(48.2,87.5) v1(48.2,84.9) v1(48.2,82.4) v1(50.2,71.7) v1(50.2,42.3) v1(50.2,2.3) v1(50.3,47.2) v1(50.75,121.65) v1(51.1,28.9) v1(51.1,15.3) v1(52.7,42.3) v1(52.7,28.9) v1(52.7,15.3) v1(52.7,2.3) v1(54.8,40.3) v1(54.8,37.7) v1(54.8,7) v1(54.8,4.4) v1(55.05,113.1) v1(55,111.55) v1(54.97,110) v1(55,31.2) v1(55,13.4) v1(55.3,71.7) v1(55.4,47.2) v1(56.12,122.96) v1(57.8,71.7) v1(57.9,47.2) v1(58.71,122.96) v1(60.4,71.7) v1(60.5,47.2) v1(62.63,122.9) v1(62.63,118.5) v1(62.65,105.47) v1(62.67,110.6) v1(62.67,107.95) v1(62.67,102.65) v1(64.4,59.4) v1(64.4,56.2) v1(65.13,122.9) v1(65.13,118.5) v1(65.6,57) v1(65.8,60.8) v1(66.05,91.5) v1(66.05,90.1) v1(67.63,122.9) v1(67.63,118.5) v1(70.23,122.9) v1(70.23,118.5) v1(70.22,107.9) v1(70.2,105.37) v1(70.25,110.57) v1(70.25,102.65) v1(72.1,56.2) v1(72.73,122.9) v1(72.73,118.5) v1(73.1,56.2) v1(73.2,58.6) v1(73.3,64.8) v1(73.3,60.5) v1(74.6,99.05) v1(74.6,96.55) v1(74.8,66.2) v1(74.8,64.8) v1(75.33,122.9) v1(75.33,118.5) v1(76.5,56.1) v1(77.6,54.8) v1(77.8,59.5) v1(77.9,64.8) v1(78,57.8) v1(78.4,128.1) v1(78.4,67.3) v1(78.45,132.3) v1(78.6,51.9) v1(79.9,67.3) v1(80.1,51.9) v1(81.1,134.95) v1(81.1,133.5) v1(81.1,126.95) v1(81.1,125.45) v1(81.1,123.95) v1(81.1,122.45) v1(81.5,54.4) v1(82.4,65.2) v1(82.4,63.8) v1(82.7,104.4) v1(82.7,57.6) v1(82.8,55.9) v1(82.8,54.3) v1(83.4,52.8) v1(83.75,128.1) v1(83.8,132.35) v1(83.8,61) v1(83.9,65.2) v1(83.9,63.8) v1(84,57.6) v1(84.9,102.2) v1(87.5,102.2) v1(89.7,104.4) v1(90.7,59.2) v1(90.7,57.6) v1(90.7,56.1) v1(93.9,140.5) v1(93.9,138.5) v1(93.9,135.7) v1(93.9,133.7) v1(93.91,16.62) v1(93.91,14.62) v1(93.91,11.42) v1(93.91,9.42) v1(94.9,139.5) v1(94.9,134.7) v1(94.91,15.62) v1(94.91,10.42) v1(95.21,105.77) v1(95.21,83.77) v1(95.21,61.77) v1(95.21,39.77) v1(95.9,140.5) v1(95.9,138.5) v1(95.9,135.7) v1(95.9,133.7) v1(95.91,16.62) v1(95.91,14.62) v1(95.91,11.42) v1(95.91,9.42) v1(96.81,105.77) v1(96.81,83.77) v1(96.81,61.77) v1(96.81,39.77) v1(99.04,106.92) v1(99.04,84.92) v1(99.04,62.92) v1(99.04,40.92) v1(100.84,106.92) v1(100.84,84.92) v1(100.84,62.92) v1(100.84,40.92) v1(101.65,138.75) v1(101.65,137.5) v1(101.81,11.82) v1(102.45,126.95) v1(102.45,124.95) v1(102.44,106.92) v1(102.44,84.92) v1(102.44,62.92) v1(102.44,40.92) v1(102.7,25.15) v1(102.7,23.15) v1(102.9,138.75) v1(103.01,10.62) v1(103.45,125.95) v1(103.7,24.15) v1(104.11,9.52) v1(104.25,141) v1(104.45,126.95) v1(104.45,124.95) v1(104.7,25.15) v1(104.7,23.15) v1(105.65,9.45) v1(106.45,141) v1(106.45,132.65) v1(107.21,17.22) v1(107.5,25.15) v1(107.5,23.15) v1(107.65,126.95) v1(107.65,124.95) v1(107.85,134) v1(107.85,132.65) v1(108.41,16.02) v1(108.5,24.15) v1(108.65,125.95) v1(109.5,25.15) v1(109.5,23.15) v1(109.51,14.92) v1(109.5,13.4) v1(109.65,126.95) v1(109.65,124.95) v1(110.15,137.4) v1(110.15,135.2) v2(2.2,141.4) v2(2.2,139.8) v2(3.6,141.4) v2(3.6,139.8) v2(5,141.4) v2(5,139.8) v2(14.6,131.8) v2(16.6,131.8) v2(18,129.5) v2(20,129.5) v2(22,129.5) v2(23.6,131.6) v2(24,129.5) v2(26,129.5) v2(28,129.8) v2(30,129.8) v2(32,129.8) v2(34,129.8) v2(36,129.8) v2(38.4,143.4) v2(38.4,142.4) v2(38.4,141.4) v2(38.4,140.4) v2(38.4,139.4) v2(38.4,138.4) v2(48.41,129.2) v2(49.61,129.2) v2(53.8,135.4) v2(54.8,135.4) v2(55.8,135.4) v2(55.95,142.8) v2(56.8,135.4) v2(56.95,142.8) v2(57.45,143.85) v2(57.95,142.8) v2(58.5,143.85) v2(59,142.8) v2(59.15,132.8) v2(59.5,143.85) v2(60,142.8) v2(60.05,132.8) v2(60.5,143.85) v2(61,142.8) v2(61,141.6) v2(62,141.6) v2(63,141.6) v2(64,140.6) v2(64,139.6) v2(64.05,133.6) v2(64.05,132.6) v2(64.05,131.6) v2(64.05,130.6) v2(64.05,129.6) v2(65.2,132.6) v2(65.2,131.6) v2(65.2,130.6) v3(13.6,143.2) v3(14.6,143.2) v3(15.6,143.2) v3(31.06,144.95) v3(32.06,144.95) v3(32.06,136.7) v3(33.06,144.95) v3(33.06,136.7) v3(34.06,144.95) v3(34.06,136.7) v3(35.06,144.95) v3(35.06,136.7) v3(35.36,148.45) v3(35.36,147.45) v3(35.36,146.45) v3(36.06,144.95) v3(36.06,136.7) v3(37.06,144.95) v3(37.06,136.7) v3(38.06,144.95) v3(38.06,136.7) v3(39.06,144.95) v3(40.31,147.2) v3(40.31,146.2) v3(40.31,145.2) v3(41.81,148.45) v3(42.81,148.45) v3(43.81,148.45) v3(56.9,146.1) v3(56.9,145.1) v4(19.9,145.1) v4(20.9,145.1) v4(21,132) v4(21.9,145.1) v4(25,132.6) v4(25.5,140.6) v4(25.5,136.6) v4(26.4,144.25) v4(26.5,140.6) v4(26.5,136.6) v4(27,132.6) v4(27.4,144.25) v4(28.4,144.25) v4(29,132.6) v4(31,132.6) v4(33,132.6) v4(35,132.6)
